# Altium PCB PCB1.PcbDoc (continued)
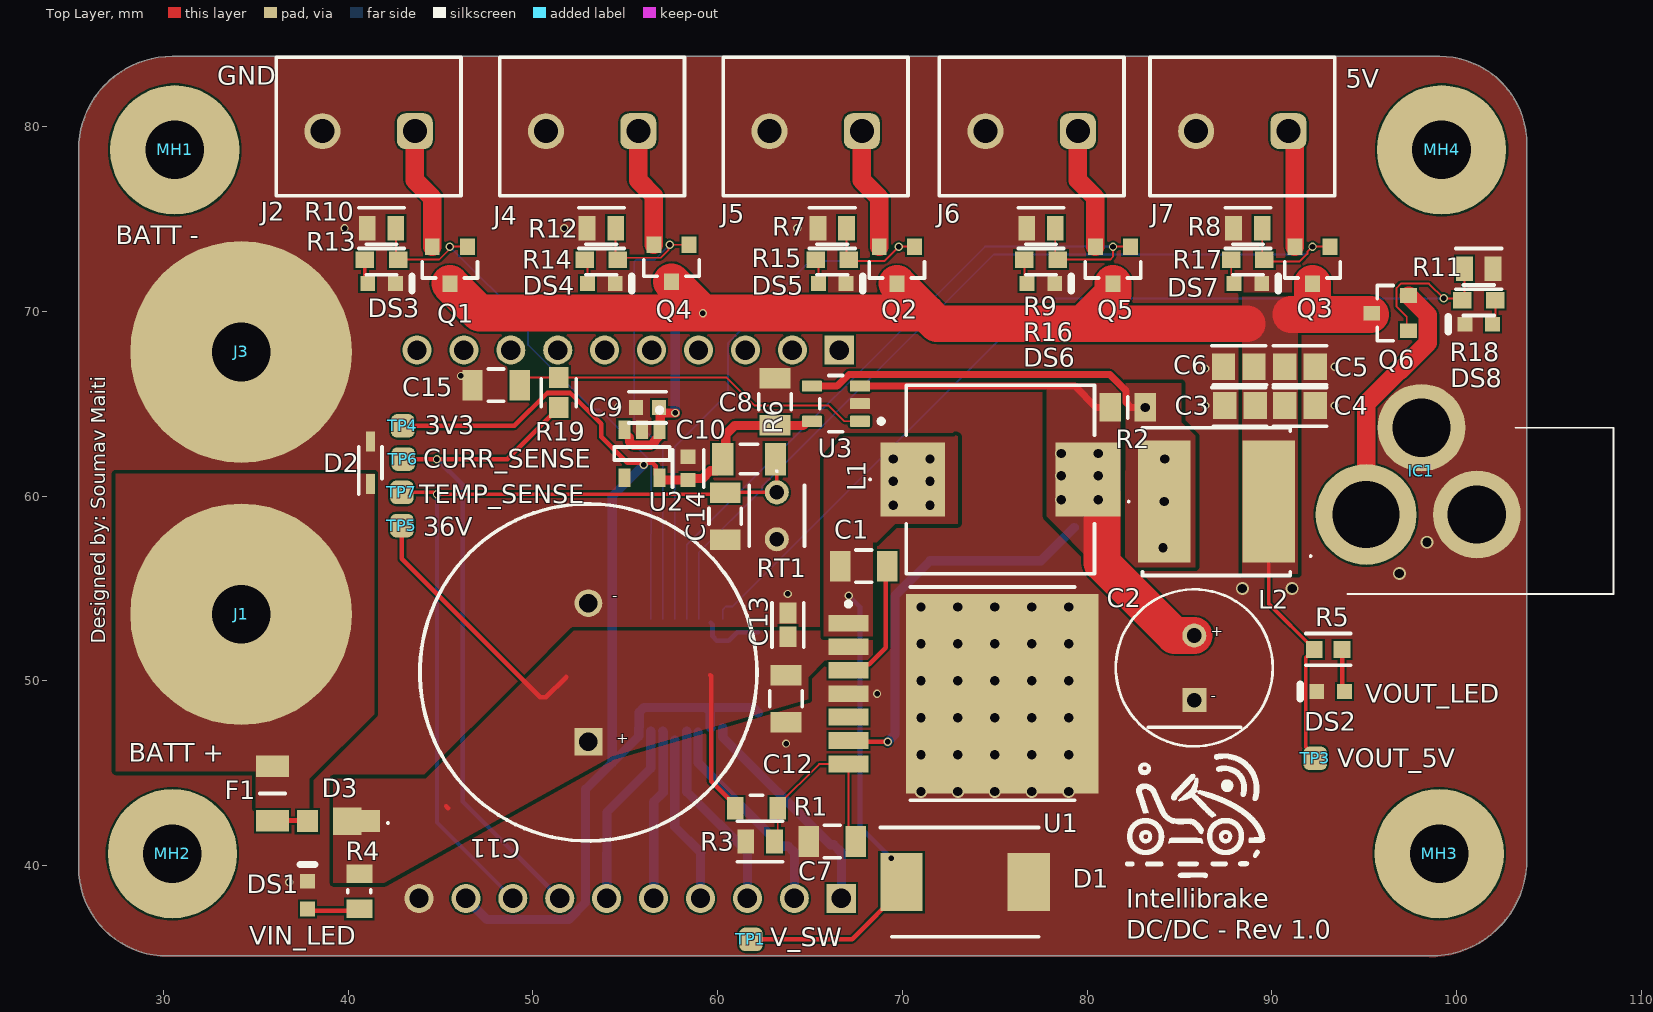
[diagram p0: Top Layer view]
## Part data
C1 C7 C8 C12 C14 C15: library part CMP-13271-001276-1, "Cap Ceramic 100nF 50V X7R ±10% SMD 1206 +125°C Embossed T/R", Capacitance=100nF, Case Code (Imperial)=1206, Case Code (Metric)=3216, Dielectric=X7R, Max Operating Temperature=125°C, Min Operating Temperature=-55°C, Package Quantity=1, Tolerance=10%, Voltage Rating=50V, Case/Package=1206, Depth=1.6mm, Height=0.85mm, Length=0.126inch, Mount="Surface Mount", Packaging="Tape and Reel", Radiation Hardening=No, Thickness=0.037inch, Width=0.063inch
C2: library part CMP-05428-000165-2, "CAP ALUM POLY 220UF 20% 16V T/H", Capacitance=220uF, Case/Package=Radial, ESR (Equivalent Series Resistance)=13mR, Leakage Current=500uA, Max Operating Temperature=105°C, Min Operating Temperature=-55°C, Package Quantity=200, Ripple Current=4.15A, Tolerance=20%, Voltage=16V, Diameter=8mm, Dissipation Factor=10%, Height=7mm, Height - Seated (Max)=0.276inch, Lead Diameter=0.6mm, Lead Free="Lead Free", Lead Pitch=3.5mm, Length=7mm, Life (Hours)=5000Hour, Mount="Through Hole", Number of Pins=7, Packaging=Bulk, Polarity=Polar, Reach SVHC Compliant=Yes, RoHS Compliant=Yes, Series="OS-CON™, SEPC", Termination=Radial, Voltage Rating=16V, Voltage Rating (DC)=16V
C3 C4 C5 C6: library part CMP-2000-06102-2, "CL21 Series 0805 10uF 16V ±10% Tolerance X5R Multilayer Ceramic Chip Capacitor", Capacitance=10uF, Case Code (Imperial)=0805, Case Code (Metric)=2012, Dielectric=X7R, Max Operating Temperature=85°C, Min Operating Temperature=-55°C, Package Quantity=1, Tolerance=10%, Voltage=16V, Case/Package=0805, Depth=1.25mm, Height=1.25mm, Lead Free="Lead Free", Length=2mm, Mount="Surface Mount", Packaging="Tape and Reel", Radiation Hardening=No, Thickness=0.055inch, Voltage Rating=16V, Voltage Rating (DC)=16V, Width=0.049inch
C9 C10: library part CMP-13271-003399-1, "Cap Ceramic 1uF 10V X5R ±10% Pad SMD 0603 +85°C T/R", Case Code (Imperial)=0603, Case Code (Metric)=1608, Dielectric=X5R, Max Operating Temperature=85°C, Min Operating Temperature=-55°C, Package Quantity=1, Tolerance=10%, Voltage=10V, Capacitance=1uF, Case/Package=0603, Contact Plating=Tin, Depth=0.8mm, Height=0.8mm, Length=1.6mm, Mount="Surface Mount", Packaging="Tape and Reel", Radiation Hardening=No, Thickness=0.035inch, Voltage Rating=10V, Width=0.031inch
C11: library part UHE1J122MHD6, "Capacitor Polarised", Manufacturer_Name=Nichicon, Mouser Part Number=647-UHE1J122MHD6, Supplier Part Number 1=493-1656-ND, Arrow Part Number=UHE1J122MHD6, Arrow Price/Stock=https://www.arrow.com/en/products/uhe1j122mhd6/nichicon, Datasheet Link=https://products.nichicon.co.jp/en/pdf/XJA043/e-uhe.pdf, Height=37.5mm, Manufacturer_Part_Number=UHE1J122MHD6, Mouser Price/Stock=https://www.mouser.co.uk/ProductDetail/Nichicon/UHE1J122MHD6?qs=3w7tHOhcdefSsEo8Zd8Pmw%3D%3D, Supplier 1=Digikey
C13: library part CMP-2000-06025-2, "Multilayer Ceramic Capacitors 1μF ±10% 50V X5R SMD 0603", Capacitance=1uF, Case Code (Imperial)=0603, Case Code (Metric)=1608, Dielectric=X5R, Dielectric Material=Ceramic, Max Operating Temperature=85°C, Min Operating Temperature=-55°C, Package Quantity=1, Tolerance=10%, Voltage=50V, Case/Package=0603, Construction=Flat, Depth=0.8mm, Height=0.8mm, Lead Free="Lead Free", Length=1.6mm, Mount="Surface Mount", Number of Pins=2, Packaging="Tape and Reel", Radiation Hardening=No, REACH SVHC="No SVHC", Resistor Type=Ceramic, RoHS Compliant=Yes, Series=C, Termination=SMD/SMT, Thickness=0.035inch, Voltage Rating=50V, Voltage Rating (DC)=50V, Weight=7.1E-05oz, Width=0.031inch
C16 C17: library part CMP-13271-002094-1, "CL21 Series 0805 100nF 25V -20/+80% Tolerance Y5V Multilayer Ceramic Chip Capacitor", Capacitance=100nF, Case Code (Imperial)=0805, Case Code (Metric)=2012, Dielectric=Y5V, Max Operating Temperature=85°C, Min Operating Temperature=-30°C, Package Quantity=1, Tolerance=80%, Voltage Rating=25V, Case/Package=0805, Depth=1.25mm, Height=0.65mm, Lead Free="Lead Free", Length=2mm, Mount="Surface Mount", Packaging="Tape and Reel", Radiation Hardening=No, Thickness=0.03inch, Voltage Rating (DC)=25V, Width=0.049inch
D1: "Diode", Manufacturer_Name="Taiwan Semiconductor", Mouser Part Number=821-SK56C, Datasheet Link=https://mouser.componentsearchengine.com/Datasheets/2/SK56C.pdf, Height=2.62mm, Manufacturer_Part_Number=SK56C, Mouser Price/Stock=https://www.mouser.co.uk/ProductDetail/Taiwan-Semiconductor/SK56C?qs=tHU%2FlV7kTyQlv9uyXcuY8g%3D%3D
D2: "Diode ESD (Uni-directional)", Manufacturer_Name=MCC, Datasheet Link=https://www.mccsemi.com/pdf/Products/ESD3V3D3A_ESD36VD3A(SOD-323).pdf, Height=1.15mm, Manufacturer_Part_Number=ESD36VD3A-TP
D3: library part PMEG6010EXEX, Manufacturer_Name=Nexperia, Datasheet Link=https://assets.nexperia.com/documents/data-sheet/PMEG4010EXE.pdf, Height=1mm, Manufacturer_Part_Number=PMEG6010EXEX
DS1 DS2 DS3 DS4 DS5 DS6 DS7 DS8: library part CMP-1744-00003-1, "LED Uni-Color Yellow, 65 mW, 20 mA, -40 to 85 degC, 2-Pin SMD, RoHS, Tape and Reel", Case Code (Imperial)=0603, Case Code (Metric)=1608, Max Operating Temperature="155 degC", Min Operating Temperature="-55 degC", Package Quantity=5000, Power Rating="100 mW", Resistance="390 Ohm", Tolerance=1%, Voltage Rating="50 V", Case\Package=0603, ComponentLink1Description="Manufacturer URL", ComponentLink1URL=http://www.avagotech.com/, ComponentLink2Description=Datasheet, ComponentLink2URL=http://docs.avagotech.com/docs/AV02-0551EN, ComponentLink3Description="Package Specification", ComponentLink3URL=http://www.fairchildsemi.com/dwg/MA/MA03D.pdf, DatasheetVersion=Mar-12, Height="0.45 mm", Length="1.6 mm", Mount="Surface Mount", PackageDescription="2-Pin Surface Mount Device, Body 1.6 x 0.8 mm, Height 0.9 mm", PackageReference=HSMX-C190, Packaging="Tape and Reel", Pins=2, REACH SVHC="No SVHC", RoHSCompliant=true, Voltage Rating (DC)="50 V", Width="0.8 mm"
F1: "Fuse", Manufacturer_Name="Bel Circuit Protection", Supplier Part Number 1=48AC8477, Datasheet Link=https://componentsearchengine.com/Datasheets/2/0685F1000-01.pdf, Height=0.83mm, Manufacturer_Part_Number=0685F1000-01, Supplier 1=Newark
IC1: "Integrated Circuit", Manufacturer_Name="Same Sky", Mouser Part Number=490-PJ-002A, Arrow Part Number=PJ-002A, Arrow Price/Stock=https://www.arrow.com/en/products/pj-002a/cui-devices?utm_currency=USD&region=europe, Datasheet Link=https://www.cui.com/product/resource/digikeypdf/pj-002a.pdf, Height=11mm, Manufacturer_Part_Number=PJ-002A, Mouser Price/Stock=https://www.mouser.co.uk/ProductDetail/CUI-Devices/PJ-002A?qs=WyjlAZoYn51CKfAix9Mngw%3D%3D
IC2: "Integrated Circuit", Manufacturer_Name=Nexperia, Mouser Part Number=771-NXB0106PWJ, Arrow Part Number=NXB0106PWJ, Arrow Price/Stock=https://www.arrow.com/en/products/nxb0106pwj/nexperia?utm_currency=USD&region=nac, Datasheet Link=https://assets.nexperia.com/documents/data-sheet/NXB0106.pdf, Height=1.1mm, Manufacturer_Part_Number=NXB0106PWJ, Mouser Price/Stock=https://www.mouser.co.uk/ProductDetail/Nexperia/NXB0106PWJ?qs=HoCaDK9Nz5faiIwxolisWw%3D%3D
J1 J3: library part "Screw Connector"
J2 J4 J5 J6 J7: library part CMP-1502-03324-2, Current Rating=16A, Max Operating Temperature=120°C, Min Operating Temperature=-30°C, Voltage Rating=300V, Contact Material="Nickel, Tin", Height=11.6mm, Lead Pitch=5mm, NexarPartId=78871135, Number Of Contacts=2, Number of Pins=2, Number Of Rows=1, Packaging=Box, RoHS=Non-Compliant
J8 J9: "Connector", Manufacturer_Name="Wurth Elektronik", Mouser Part Number=710-61301011821, Datasheet Link=http://katalog.we-online.de/em/datasheet/6130xx11821.pdf, Height=8.5mm, Manufacturer_Part_Number=61301011821, Mouser Price/Stock=https://www.mouser.co.uk/ProductDetail/Wurth-Elektronik/61301011821?qs=W%252B2sBeLta1ZhlLR0YCzonQ%3D%3D
L1: library part AMRM00101040220MA1, "Inductor", Manufacturer_Name="Pulse Electronics", Mouser Part Number=673-AMRM101040220MA1, Datasheet Link=https://productfinder.pulseelectronics.com/api/open/part-attachments/datasheet/amrm00101040220ma1, Height=4mm, Manufacturer_Part_Number=AMRM00101040220MA1, Mouser Price/Stock=https://www.mouser.co.uk/ProductDetail/Pulse-Electronics/AMRM00101040220MA1?qs=HoCaDK9Nz5furma8MQ%2FytQ%3D%3D
L2: library part HPC8040NC-4R7M, "Inductor", Manufacturer_Name=TAI-TECH, Supplier Part Number 1=4816-HPC8040NC-100MCT-ND, Datasheet Link=https://media.digikey.com/pdf/Data%20Sheets/Tai%20Tech%20PDFs/HPC-BM_NF_NCv.pdf, Height=4.2mm, Manufacturer_Part_Number=HPC8040NC-4R7M, Supplier 1=Digikey
MH1 MH2 MH3 MH4: library part "Mounting Hole"
Q1 Q2 Q3 Q4 Q5 Q6: library part CMP-12801-000065-1, "MOSFET P-CH 20V 3A SOT23", Continuous Drain Current=-3A, Drain To Source Breakdown Voltage=-20V, Drain To Source Resistance=120mΩ, Gate To Source Voltage=8V, Input Capacitace At Vds="476pF @ -10V", Manufacturer="Diodes Inc.", Max Forward Diode Voltage=-1.2V, Max Junction Temp=+150°C, Package=SOT23, Power Dissipation=1.5W, Pulse Drain Current=-10A, Temperature="-55°C to +150°C", Temperature Range Low=-55°C, Automotive=No, Category=Trans, ComponentLink2Description=Datasheet, ComponentLink2URL=https://www.diodes.com/assets/Datasheets/DMG2301L.pdf, Depletion Mode=False, Device Class L1="Discrete Semiconductors", Device Class L2=Transistors, Device Class L3=MOSFETs, Digikey Description="MOSFET P-CH 20V 3A SOT23", Drain To Source Voltage=-20V, Footprint Url=https://www.diodes.com/assets/Package-Files/SOT23.pdf, Gate Charge At Vgs="5.5nC @ -4.5V", Height=1.1mm, Lead Free=Yes, Manufacturer Part Number=DMG2301L-7, Mouser Description="Single P-Channel 20 V 1.5 W 5.5 nC Silicon Surface Mount Mosfet - SOT-23", Number Of Channels=1, Number Of P Channels=1, Octopart=https://octopart.com/dmg2301l-7-diodes+inc.-67250456, RoHS=TRUE, Rthja Max=83°C/W, Standoff Height=0.013mm, Temperature Range High=+150°C, Threshold Vgs Max=-1.2V, Threshold Vgs Min=-0.4V, Turn Off Delay Time=30ns, Turn On Delay Time=5ns
R1: library part CMP-13261-001773-1, "Res Thick Film 0805 110kΩ 1% 0.125W ±100ppm/°C Molded SMD T/R", Case Code (Imperial)=0805, Case Code (Metric)=2012, Max Operating Temperature=155°C, Max Power Dissipation=125mW, Min Operating Temperature=-55°C, Resistance=110kR, Temperature Coefficient=100ppm/°C, Tolerance=1%, Voltage Rating (DC)=150V, Case/Package=0805, Composition="Thick Film", Contact Plating=Tin, Depth=1.25mm, Features="Moisture Resistant", Height=0.024inch, Lead Free="Lead Free", Length=0.079inch, Military Standard=Not, Number of Terminations=2, Packaging="Tape and Reel", Radiation Hardening=No, Width=0.049inch
R2: library part D1WEL0805CR080F-T5, "Resistor", Manufacturer_Name="Thin Film Technology Corp.", Datasheet Link=https://mm.digikey.com/Volume0/opasdata/d220001/medias/docus/5732/TFT-DMS-423-1.pdf, Height=0.85mm, Manufacturer_Part_Number=D1WEL0805CR080F-T5
R3 R7 R8 R9 R10 R11 R12: library part CMP-12256-000003-1, "Resistor, 10K, 0.1W, 1%, 0805, Reel", Case Code (Imperial)=0805, Case Code (Metric)=2012, Max Operating Temperature=155°C, Min Operating Temperature=-55°C, Power Rating=100mW, Resistance=10kR, Temperature Coefficient=100ppm/°C, Tolerance=1%, Voltage Rating=150V, Case/Package=0805, Composition="Thick Film", Number of Pins=2, Packaging="Cut Tape", REACH SVHC="No SVHC", Voltage Rating (DC)=150V, Width=1.25mm
R4: library part CMP-2001-03837-2, "RES Thick Film, 34kΩ, 1%, 0.125W, 100ppm/°C, 0805", Case Code (Imperial)=0805, Case Code (Metric)=2012, Max Operating Temperature=155°C, Max Power Dissipation=125mW, Min Operating Temperature=-55°C, Package Quantity=10, Resistance=34kR, Temperature Coefficient=100ppm/°C, Tolerance=1%, Voltage Rating=150V, Case/Package=0805, Composition="Thick Film", Contact Plating=Tin, Depth=1.25mm, Features="Automotive AEC-Q200", Height=0.02inch, Lead Free="Lead Free", Length=2mm, Military Standard=Not, Number of Terminations=2, Packaging="Tape and Reel", Power Rating=125mW, Radiation Hardening=No, Termination=SMD/SMT, Voltage Rating (DC)=150V, Weight=0.000194oz, Width=0.049inch, Working Voltage=150V
R5: library part CMP-13261-004935-1, "Res Thick Film 0603 1.5kΩ 1% 0.1W ±100ppm/°C Molded SMD T/R", Case/Package=0603, Max Operating Temperature=155°C, Min Operating Temperature=-55°C, Power Rating=100mW, Resistance=1.5kR, Temperature Coefficient=100ppm/°C, Tolerance=1%, Voltage Rating (DC)=50V, Composition="Thick Film", Contact Plating=Tin, Depth=0.8mm, Lead Free="Lead Free", Length=1.6mm, Military Standard=Not, Packaging="Tape and Reel", Radiation Hardening=No, Width=800um
R6: library part CMP-1014-00102-3, "RES Thick Film, 15kΩ, 5%, 0.25W, 200ppm/°C, 1206", Case Code (Imperial)=1206, Case Code (Metric)=3216, Max Operating Temperature=155°C, Max Power Dissipation=250mW, Min Operating Temperature=-55°C, Package Quantity=1, Resistance=15kR, Temperature Coefficient=200ppm/°C, Tolerance=5%, Voltage Rating=200V, Case/Package=1206, Composition="Thick Film", Contact Plating=Tin, Depth=1.6mm, Features="Automotive AEC-Q200", Height=0.024inch, Height - Seated (Max)=0.024inch, Lead Free="Lead Free", Length=3.2mm, Military Standard=Not, Number of Terminations=2, Packaging="Tape and Reel", Power Rating=250mW, Radiation Hardening=No, Termination=SMD/SMT, Voltage Rating (DC)=200V, Weight=0.000353oz, Width=1.6mm
R13 R14 R15 R16 R17 R18: library part CMP-03211-006385-1, "RES SMD 1.18KΩ 1% 1/16W 0603", Manufacturer="TE Connectivity", Manufacturer Part Number=CPF0603F1K18C1, Package=CPF0603, Power Rating=0.063W, Resistance=1.18KΩ, Temperature="-55°C to +155°C", Temperature Coefficient=50ppm/°C, Temperature Range High=+155°C, Temperature Range Low=-55°C, Tolerance=1%, Voltage Rating=50V, Automotive=No, Category=Res, ComponentLink2Description=Datasheet, ComponentLink2URL=https://www.te.com/commerce/DocumentDelivery/DDEController?Action=showdoc&DocId=Data+Sheet%7F1773200%7FM%7Fpdf%7FEnglish%7FENG_DS_1773200_M.pdf%7F3-1676481-2, Composition="Thin Film", Device Class L1="Passive Components", Device Class L2=Resistors, Device Class L3="Chip SMD Resistors", Height=0.55mm, Ipc Land Pattern Name=RESC15580X45, Lead Free=Yes, Octopart=https://octopart.com/cpf0603f1k18c1-te+connectivity-7514649, octopart_url=https://octopart.com/cpf0603f1k18c1-te+connectivity-7514649, Packaging="1k Reel", RoHS=TRUE, Series=CPF
R19: library part CMP-2000-02995-2, "RES Thick Film, 1.5kΩ, 1%, 0.1W, 100ppm/°C, 0603", Case Code (Imperial)=0603, Case Code (Metric)=1608, Max Operating Temperature=155°C, Max Power Dissipation=100mW, Min Operating Temperature=-55°C, Package Quantity=10, Resistance=1.5kR, Temperature Coefficient=100ppm/°C, Tolerance=1%, Voltage Rating=75V, Case/Package=0603, Composition="Thick Film", Contact Plating=Tin, Depth=0.85mm, Features="Automotive AEC-Q200", Height=0.45mm, Lead Free="Lead Free", Length=1.55mm, Military Standard=Not, Mount="Surface Mount", Number of Terminations=2, Packaging="Tape and Reel", Power Rating=100mW, Termination=SMD/SMT, Voltage Rating (DC)=75V, Weight=7.1E-05oz, Width=0.033inch, Working Voltage=75V
RT1: library part NTCLE100E3473GB0, "Thermistor", Manufacturer_Name=Vishay, Mouser Part Number=594-NTCLE100E3473GB0, Arrow Part Number=NTCLE100E3473GB0, Arrow Price/Stock=https://www.arrow.com/en/products/ntcle100e3473gb0/vishay?region=nac, Datasheet Link=https://www.vishay.com/docs/29049/ntcle100.pdf, Height=8mm, Manufacturer_Part_Number=NTCLE100E3473GB0, Mouser Price/Stock=https://www.mouser.co.uk/ProductDetail/Vishay-BC-Components/NTCLE100E3473GB0?qs=%2FWiulJ9oly60Fl5s5HThvA%3D%3D
TP1 TP2 TP3 TP4 TP5 TP6 TP7 TP8 TP9 TP10 TP11 TP12: library part Testpoint
U2: library part CMP-2000-07604-2, "IC REG LINEAR 3.3V 300MA SOT23-5", Case/Package=SOT-23-5, Dropout Voltage=380mV, Max Input Voltage=5.5V, Max Operating Temperature=125°C, Max Output Current=300mA, Min Input Voltage=2.5V, Min Operating Temperature=-40°C, Nominal Output Voltage=3.3V, Operating Supply Current=42uA, Power Supply Rejection Ratio (PSRR)=60dB, Quiescent Current=38uA, Accuracy=3%, Height=1.1mm, Length=2.9mm, Mount="Surface Mount", Number of Outputs=1, Number of Pins=5, Output Current=300mA, Output Type=Fixed, Output Voltage=3.3V, Packaging="Tape and Reel", REACH SVHC="No SVHC", Width=1.6mm
U3: library part CMP-04895-000287-1, "IC CURR SENSE 1 CIRCUIT SOT23-5", Case/Package=SOT-23-5, Input Bias Current=100nA, Input Offset Voltage (Vos)=100uV, Max Operating Temperature=125°C, Min Operating Temperature=-40°C, Operating Supply Current=260uA, -3db Bandwidth=350kHz, Mount="Surface Mount", Number of Circuits=1, Packaging="Tape and Reel", RoHS Compliant=Yes, Slew Rate=2V/µs

## Via types
v1: diameter 0.7, hole 0.5, Top Layer to Bottom Layer, tented both sides, 50 vias
v2: diameter 0.45, hole 0.3, Top Layer to Bottom Layer, tented both sides, 27 vias

## Nets (pads, with @x,y where several pads share a name; then routed paths per layer and width w, separated by ;. In a path a pad name is that pad's centre, name@x,y a point inside that pad or via, vN(x,y) a via of type N, cw(c..) or ccw(c..) an arc to the next point about the centre after c; other vN are vias at no path point)
CSA_N: L2.1 R2.2 U3.4 | length 19.4
  Top Layer w0.381: U3.4 66.469,65.95 67.104,66.585 81.226,66.585 82.115,65.695 82.115,65.069 82.385,64.8 v1(83.15,64.8)
  other v1: 84.1,57.2 84.175,59.7 84.2,62
CSA_P: C2.2 L1.2 R2.1 U1.6 U3.3 | length 46.9
  Top Layer w0.254: U1.6 67.14,46.7 v2(69.2,46.7)
  Top Layer w0.381: U3.3 79.334,65.95 80.484,64.8 R2.1
  Top Layer w2: L1.2 80.8,60.15 80.8,56.375 84.725,52.45 C2.2
  Bottom Layer w0.5: v2(69.2,46.7) 69.6,47.1 69.6,54.6 71.5,56.5 77.5,56.5 79.3,58.3
  other v1: 78.6,59.8 80.6,59.8 78.6,61.1 80.6,61.1 78.6,62.3 80.6,62.3
GND: C2.1 C3.2 C4.2 C5.2 C6.2 C7.2 C8.2 C9.2 C10.2 C11.2 C12.2 C13.1 C14.2 C15.2 C16.2 C17.2 D1.2 D2.2 DS1.2 DS2.2 DS3.2 DS4.2 DS5.2 DS6.2 DS7.2 DS8.2 IC1.2 IC1.3 IC2.9 J2.2 J3.1 J4.2 J5.2 J6.2 J7.2 J8.10 R3.1 R7.2 R8.2 R9.2 R10.2 R11.2 R12.2 RT1.2 U1.4 U1.8 U2.2 U3.2
  other v1: 71,44 73,44 75,44 77,44 79,44 71,46 73,46 75,46 77,46 79,46 71,48 73,48 75,48 77,48 79,48 71,50 73,50 75,50 77,50 79,50 71,52 73,52 75,52 77,52 79,52 71,54 73,54 75,54 77,54 79,54 88.4,55 91.1,55 96.9,55.8 98.4,57.5
  other v2: 36.8,39.1 63.7,46.6 68.625,49.3 63.8,54.7 54.6,64.8 86.4,64.9 93.4,64.9 46.1,66.5 86.4,66.9 93.4,67 39.8,74.5 51.7,74.5 64.3,74.5
JETSON_VCC: IC1.1 Q6.2 | length 13.6
  Top Layer w1: IC1.1@95.1,59.1 95.1,65 96.87,66.77 96.919,66.77 98.45,68.301 98.45,69.8 Q6.2
MCU_3V3: C8.1 C10.1 C17.1 IC2.2 IC2.8 J8.9 R6.2 TP4.0 U2.5 U3.5 | length 71.1
  Top Layer w0.254: TP4.0 48.996,63.8 50.775,65.579 52.025,65.579 53.7,63.904 53.7,63.2 55.1,61.8 56.469,61.8 56.647,61.622 56.647,61.156 U2.5@56.93,60.873
  Top Layer w0.5: U2.5@56.93,60.873 C10.1 ; C10.1@58.497,60.943 59.176,60.943 59.604,61.371 59.946,61.371 60.274,61.699 R6.2 60.436,62.162 60.436,63.336 60.924,63.824 C8.1 64.624,63.824 64.85,64.05 U3.5
  Bottom Layer w0.5: J8.9 47.505,37.079 51.919,37.079 52.85,38.011 52.85,44.124 54.288,45.562 ; v2(56,61.7) 54.288,59.988 54.288,45.562 ; IC2.2 59.6,47.487 59.6,48.294 59.345,48.55 ; C17.1 61.925,48.55 59.345,48.55 ; 54.288,45.562 55.725,46.999 IC2.8 55.75,47.487 55.75,48.294 56.005,48.55 59.345,48.55
NetC1_1: C1.1 U1.3 | length 6.9
  Top Layer w0.254: U1.3 67.408,50.898 68.212,50.898 69.097,51.783 C1.1@69.097,56.2
NetC7_1: C7.1 R1.1 R3.2 U1.7 | length 11.1
  Top Layer w0.1: R3.2 63.25,41.474 R1.1 63.25,43.25 65.49,45.49 U1.7 67.08,41.696 C7.1
NetC14_1: C14.1 J8.8 R6.1 RT1.1 TP7.0 | length 46.5
  Top Layer w0.1: R6.1@63.1,62 63.1,62.474 63.126,62.5 R6.1@63.226,62.4
  Top Layer w0.2: TP7.0 44.632,60.2 44.732,60.1 v2(44.8,60.1) 60.324,60.1 C14.1 60.424,60.2 RT1.1 63.2,61.9 R6.1@63.1,62
  Bottom Layer w0.2: v2(44.8,60.1) 44.8,42.324 J8.8
NetC15_1: C15.1 R19.2 U3.1 | length 19.2
  Top Layer w0.1: C15.1@49.476,66.4 49.492,66.415 R19.2 60.485,66.415 62,64.9 66,64.9 66.85,64.05 U3.1
NetD3_2: D3.2 F1.2 | length 1.9
  Top Layer w0.254: F1.2 37.717,42.43 D3.2@37.787,42.5
NetDS1_1: DS1.1 R4.1 | length 2.5
  Top Layer w0.254: DS1.1@37.817,37.55 R4.1@39.92,37.55 ; R4.1@40.399,37.85 R4.1 ; R4.1@40.447,37.753 R4.1@40.5,37.7
NetDS2_1: DS2.1 R5.1 | length 2.3
  Top Layer w0.254: R5.1 93.802,49.54 DS2.1
NetDS3_1: DS3.1 R13.1 | length 1.4
  Top Layer w0.2: R13.1 40.9,71.65 DS3.1
NetDS4_1: DS4.1 R14.1 | length 1.4
  Top Layer w0.1: R14.1 52.95,72.65 DS4.1
NetDS5_1: DS5.1 R15.1 | length 1.4
  Top Layer w0.1: R15.1 65.45,72.65 DS5.1
NetDS6_1: DS6.1 R16.1 | length 1.4
  Top Layer w0.1: R16.1 76.6,71.65 DS6.1
NetDS7_1: DS7.1 R17.1 | length 1.4
  Top Layer w0.1: R17.1 87.8,71.65 DS7.1
NetDS8_1: DS8.1 R18.1 | length 1.4
  Top Layer w0.1: DS8.1 102.1,69.45 R18.1
NetIC2_1: IC2.1 J8.1 TP2.0 | length 12
  Bottom Layer w0.5: IC2.1 60.275,46.949 66.105,41.12 66.28,41.12 TP2.0 66.7,38.229 J8.1
NetIC2_3: IC2.3 J8.2 TP8.0 | length 11.4
  Bottom Layer w0.5: IC2.3@58.932,47.227 58.932,45.568 63.457,41.043 63.817,41.043 TP8.0 64.154,40.694 64.154,38.223 J8.2
NetIC2_4: IC2.4 J8.3 TP9.0 | length 10.4
  Bottom Layer w0.5: 58.325,43.995 IC2.4@58.325,47.262 ; 58.35,43.97 TP9.0 61.614,40.694 61.614,38.223 J8.3
NetIC2_5: IC2.5 J8.4 TP10.0 | length 9.1
  Bottom Layer w0.5: IC2.5@57.675,46.774 57.675,42.105 TP10.0 59.074,40.694 59.074,38.223 J8.4
NetIC2_6: IC2.6 J8.5 TP11.0 | length 9.3
  Bottom Layer w0.5: J8.5 56.534,38.223 56.534,40.694 TP11.0 56.54,43.444 57.05,43.954 57.05,47.237 IC2.6@57.025,47.262
NetIC2_7: IC2.7 J8.6 TP12.0 | length 10
  Bottom Layer w0.5: J8.6 53.994,38.223 53.994,40.694 TP12.0 54,42.884 56.378,45.262 56.378,47.259 IC2.7@56.375,47.262
NetIC2_10: IC2.10 Q1.1 R10.1 R13.2 | length 30.8
  Top Layer w0.1: R10.1 42.576,72.924 R13.2 44.912,72.8 45.433,73.321 45.433,73.433 v2(45.5,73.5) Q1.1
  Bottom Layer w0.1: v2(45.5,73.5) 49.738,69.263 49.738,68.177 53.225,64.689 53.577,64.689 56.4,61.866 56.4,57.958 56.375,57.933 IC2.10
NetIC2_11: IC2.11 Q4.1 R12.1 R14.2 | length 28.3
  Top Layer w0.1: R12.1 54.476,72.924 54.5,72.9 56.912,72.9 57.341,73.329 57.341,73.541 v2(57.4,73.6) Q4.1
  Bottom Layer w0.1: IC2.11 57.025,62.585 55.482,64.128 55.482,72.688 55.6,72.805 56.605,72.805 v2(57.4,73.6)
NetIC2_12: IC2.12 Q2.1 R7.1 R15.2 | length 33.2
  Top Layer w0.1: R7.1 66.976,72.924 R15.2 67.185,72.715 69.027,72.715 69.8,73.488 v2(69.8,73.5) Q2.1
  Bottom Layer w0.1: IC2.12 57.675,62.675 60.562,65.562 60.562,68.288 64.989,72.715 69.015,72.715 v2(69.8,73.5)
NetIC2_13: IC2.13 Q5.1 R9.1 R16.2 | length 40.1
  Top Layer w0.1: R9.1 78.276,72.924 R16.2 81.243,72.8 81.4,72.957 v2(81.4,73.5) Q5.1
  Bottom Layer w0.1: IC2.13 58.325,57.355 74.47,73.5 v2(81.4,73.5)
NetIC2_14: IC2.14 Q3.1 R8.1 R17.2 | length 49.5
  Top Layer w0.1: R8.1 89.476,72.924 R17.2 89.7,72.7 91.512,72.7 91.923,73.11 91.923,73.223 v2(92.2,73.5) Q3.1
  Bottom Layer w0.1: IC2.14 58.975,56.945 62.4,60.37 62.4,60.531 74.944,73.075 91.775,73.075 v2(92.2,73.5)
NetIC2_16: IC2.16 Q6.1 R11.1 R18.2 | length 54.8
  Top Layer w0.1: Q6.1 97.3,69.05 97.3,69.7 96.75,70.25 96.75,71.262 96.988,71.5 98.5,71.5 v2(99.3,70.7) 100.324,70.7 100.362,70.662 100.424,70.724 R11.1
  Bottom Layer w0.1: IC2.16 60.275,53.851 60.45,54.026 60.818,54.026 77.493,70.7 v2(99.3,70.7)
NetJ8_7: J8.7 R19.1 TP6.0 | length 36.1
  Top Layer w0.254: TP6.0 v2(44.8,62) 48.615,62 50.959,64.344 50.996,64.344 51.4,64.748 R19.1
  Bottom Layer w0.254: v2(44.8,62) 46.2,60.6 46.2,43.464 J8.7
OUT1_VCC: J2.1 Q1.2 | length 6.6
  Top Layer w1: J2.1 43.6,77.1 44.55,76.15 Q1.2
OUT2_VCC: J4.1 Q4.2 | length 6.5
  Top Layer w1: J4.1 55.7,77.1 56.55,76.25 Q4.2
OUT3_VCC: J5.1 Q2.2 | length 6.6
  Top Layer w1: J5.1 67.8,77.1 68.75,76.15 Q2.2
OUT4_VCC: J6.1 Q5.2 | length 6.6
  Top Layer w1: J6.1 79.5,77.1 80.45,76.15 Q5.2
OUT5_VCC: J7.1 Q3.2 | length 6.4
  Top Layer w1: J7.1 91.25,79.4 Q3.2
V_BOOST: C1.2 D1.1 L1.1 TP1.0 U1.1 | length 24.8
  Top Layer w0.254: TP1.0 67.275,36 69.95,38.675 D1.1
  Bottom Layer w0.254: v2(67.1,54.6) 67.7,54 67.7,42.1 v2(69.4,40.4)
  other v1: 69.5,59.5 71.5,59.5 69.5,60.8 71.5,60.8 69.5,62 71.5,62
VIN: D2.1 F1.1 J1.1
VIN_5V: C16.1 IC2.15 | length 3.5
  Bottom Layer w0.254: IC2.15@59.625,53.138 59.723,53.04 59.723,52.406 59.956,52.173 60.594,52.173 61.046,52.626 C16.1
VIN_36V: C11.1 C12.1 C13.2 D3.1 D3.3 R1.2 R4.2 TP5.0 U1.2 | length 22.2
  Top Layer w0.254: TP5.0 42.9,56.6 50.4,49.1 50.7,49.1 51.8,50.2 ; 45.3,43.2 45.4,43.1 ; 59.6,50.3 59.65,50.25 59.65,44.55 60.95,43.25 R1.2
VOUT_5V: C3.1 C4.1 C5.1 C6.1 C9.1 L2.2 Q1.3 Q2.3 Q3.3 Q4.3 Q5.3 Q6.3 R5.2 TP3.0 U2.1 U2.3 | length 82.9
  Top Layer w0.2: L2.2 89.825,54.176 R5.2@92.3,51.701 ; R5.2 91.828,51.227 91.828,46.44 92.35,45.918 TP3.0
  Top Layer w0.5: U2.3 54.95,63.43 55.22,63.16 55.22,62.955 55.425,62.75 56.375,62.75 56.632,63.007 56.632,63.043 56.888,63.3 56.888,64.462 56.927,64.5 v2(57.7,64.5)
  Top Layer w2: Q1.3 47.1,69.9 v2(59.2,69.9) ; Q4.3 58.671,70.429 v2(59.2,69.9) ; Q2.3 71.872,69.328 79.781,69.328 ; 71.3,69.9 v2(59.2,69.9) ; Q5.3 81.4,70.947 79.781,69.328 ; 88.664,69.328 79.781,69.328 ; 91.036,69.828 Q6.3@95.328,69.828 ; 92.2,70.992 Q3.3
  Bottom Layer w0.5: v2(57.7,64.5) 57.7,69.2 58.4,69.9 v2(59.2,69.9)
pads on no net: J9.1 J9.2 J9.3 J9.4 J9.5 J9.6 J9.7 J9.8 J9.9 J9.10 MH1.4 MH2.4 MH3.4 MH4.4 U1.5 U2.4

## Polygon pours and split planes (outlines as drawn)
VOUT_5V on Top Layer "VOUT_5V_L01_P002" (solid, pour order 2): 88.4,55.8 91.4,55.8 91.4,70.8 88.4,70.8
V_BOOST on Top Layer "V_BOOST_L01_P003" (solid, remove dead copper, pour order 3): 68.414,52.401 68.4,52.415 68.4,57.5 68.6,57.5 69.6,58.5 73,58.5 73,63.4 72.8,63.2 66.8,63.2 65.746,62 65.746,61.454 65.746,52.401
CSA_N on Top Layer "CSA_N_L01_P010" (solid, pour order 10): 82.092,66.1 85.1,66.1 85.1,64.008 85.854,63.254 85.854,56.146 82.554,56.146 82.059,56.641
CSA_P on Top Layer "CSA_P_L01_P007" (solid, remove dead copper, pour order 7): 77.8,66.1 81.8,66.1 81.8,56.2 80.5,56.2 77.8,58.9
VOUT_5V on Top Layer "VOUT_5V_L01_P009" (solid, pour order 9): 88.4,63.1 91.4,63.1 91.4,55.8 88.4,55.8
GND on Top Layer "GND_L01_P013" (solid, remove dead copper, pour order 13): 30.46,83.8 99.08,83.8 cw(c99.08,79.08) 103.8,79.08 103.8,40.298 cw(c98.536,40.298) 98.534,35.034 30.233,35.064 cw(c30.236,39.909) 25.391,39.909 25.391,78.731 cw(c30.46,78.731)
VIN_36V on Top Layer "VIN_36V_L01_P006" (solid, remove dead copper, pour order 6): 41.959,39.059 54.3,45.9 64.9,49 64.9,50.2 65.8,51.1 68.4,51.1 68.4,52.7 52.2,52.7 44.2,44.7 39.2,44.7 39.2,39.059
VIN on Top Layer "VIN_L01_P004" (solid, pour order 4): 27.4,61.2 27.4,45.1 35,45.1 35,42.2 36.9,42.2 37.9,42.2 37.9,44.7 41.4,48.2 41.4,61.2
CSA_P on Bottom Layer "CSA_P_L02_P001" (solid, remove dead copper, pour order 1): 77.8,66.1 81.8,66.1 81.8,56.2 80.5,56.2 77.8,58.9
V_BOOST on Bottom Layer "V_BOOST_L02_P012" (solid, remove dead copper, pour order 12): 68.434,52.401 68.42,52.415 68.42,57.5 68.62,57.5 69.62,58.5 73.02,58.5 73.02,63.4 72.82,63.2 66.82,63.2 65.766,62 65.766,61.454 65.766,52.401
V_BOOST on Bottom Layer "V_BOOST_L02_P008" (solid, remove dead copper, pour order 8): 68.414,52.401 68.4,52.415 68.4,57.5 68.6,57.5 69.6,58.5 73,58.5 73,63.4 72.8,63.2 66.8,63.2 65.746,62 65.746,61.454 65.746,52.401
GND on Bottom Layer "GND_L02_P011" (solid, remove dead copper, pour order 11): 30.46,83.8 99.08,83.8 cw(c99.08,79.08) 103.8,79.08 103.8,40.298 cw(c98.536,40.298) 98.534,35.034 30.233,35.064 cw(c30.236,39.909) 25.391,39.909 25.391,78.731 cw(c30.46,78.731)

## Silkscreen, mask and mechanical layers (free items; w line width, h text height)
Top Overlay:
  drawing of 20 lines, arcs and shapes, not listed
  text "GND" at 32.895,82.27 h1.02
  text "5V" at 93.995,82.095 h1.02
  text "BATT -" at 27.42,73.62 h1.02
  text "3V3" at 44.152,63.352 h1.02
  text "CURR_SENSE" at 44.052,61.522 h1.02
  text "TEMP_SENSE" at 43.852,59.622 h1.02
  text "36V" at 44.052,57.852 h1.02
  text "-" at 54.3,54.105 h1.02
  text "+" at 86.7,52.195 h1.02
  text "Designed by: Soumav Maiti" at 26.846,52 h0.76 r90
  text "VOUT_LED" at 95.052,48.822 h1.02
  text "-" at 86.7,48.705 h1.02
  text "+" at 54.5,46.395 h1.02
  text "BATT +" at 28.12,45.62 h1.02
  text "VOUT_5V" at 93.552,45.322 h1.02
  text "Intellibrake" at 82.12,37.72 h1.02
  text "DC/DC - Rev 1.0" at 82.12,36.02 h1.02
  text "VIN_LED" at 34.652,35.722 h1.02
  text "V_SW" at 62.852,35.622 h1.02
Bottom Overlay:
  text "5V" at 56.38,81.72 h1.02
  text "GND" at 39.955,81.67 h1.02
  text "5V" at 44.38,81.645 h1.02
  text "GND" at 51.905,81.57 h1.02
  text "5V" at 68.53,81.57 h1.02
  text "5V" at 80.38,81.545 h1.02
  text "GND" at 64.155,81.47 h1.02
  text "GND" at 75.755,81.47 h1.02
  text "GND" at 87.28,81.42 h1.02
  text "5V" at 91.655,81.395 h1.02
  text "OUT2" at 55.952,41.952 h1.02 r270
  text "OUT1" at 53.552,41.852 h1.02 r270
  text "OUT4" at 61.152,41.752 h1.02 r270
  text "OUT_Jetson" at 66.122,41.752 h1.02 r270
  text "OUT3" at 58.652,41.652 h1.02 r270
  text "OUT5" at 63.652,41.652 h1.02 r270